# Altium PCB eRTM15_Baikal.PcbDoc (part 5 of 7) (continued)
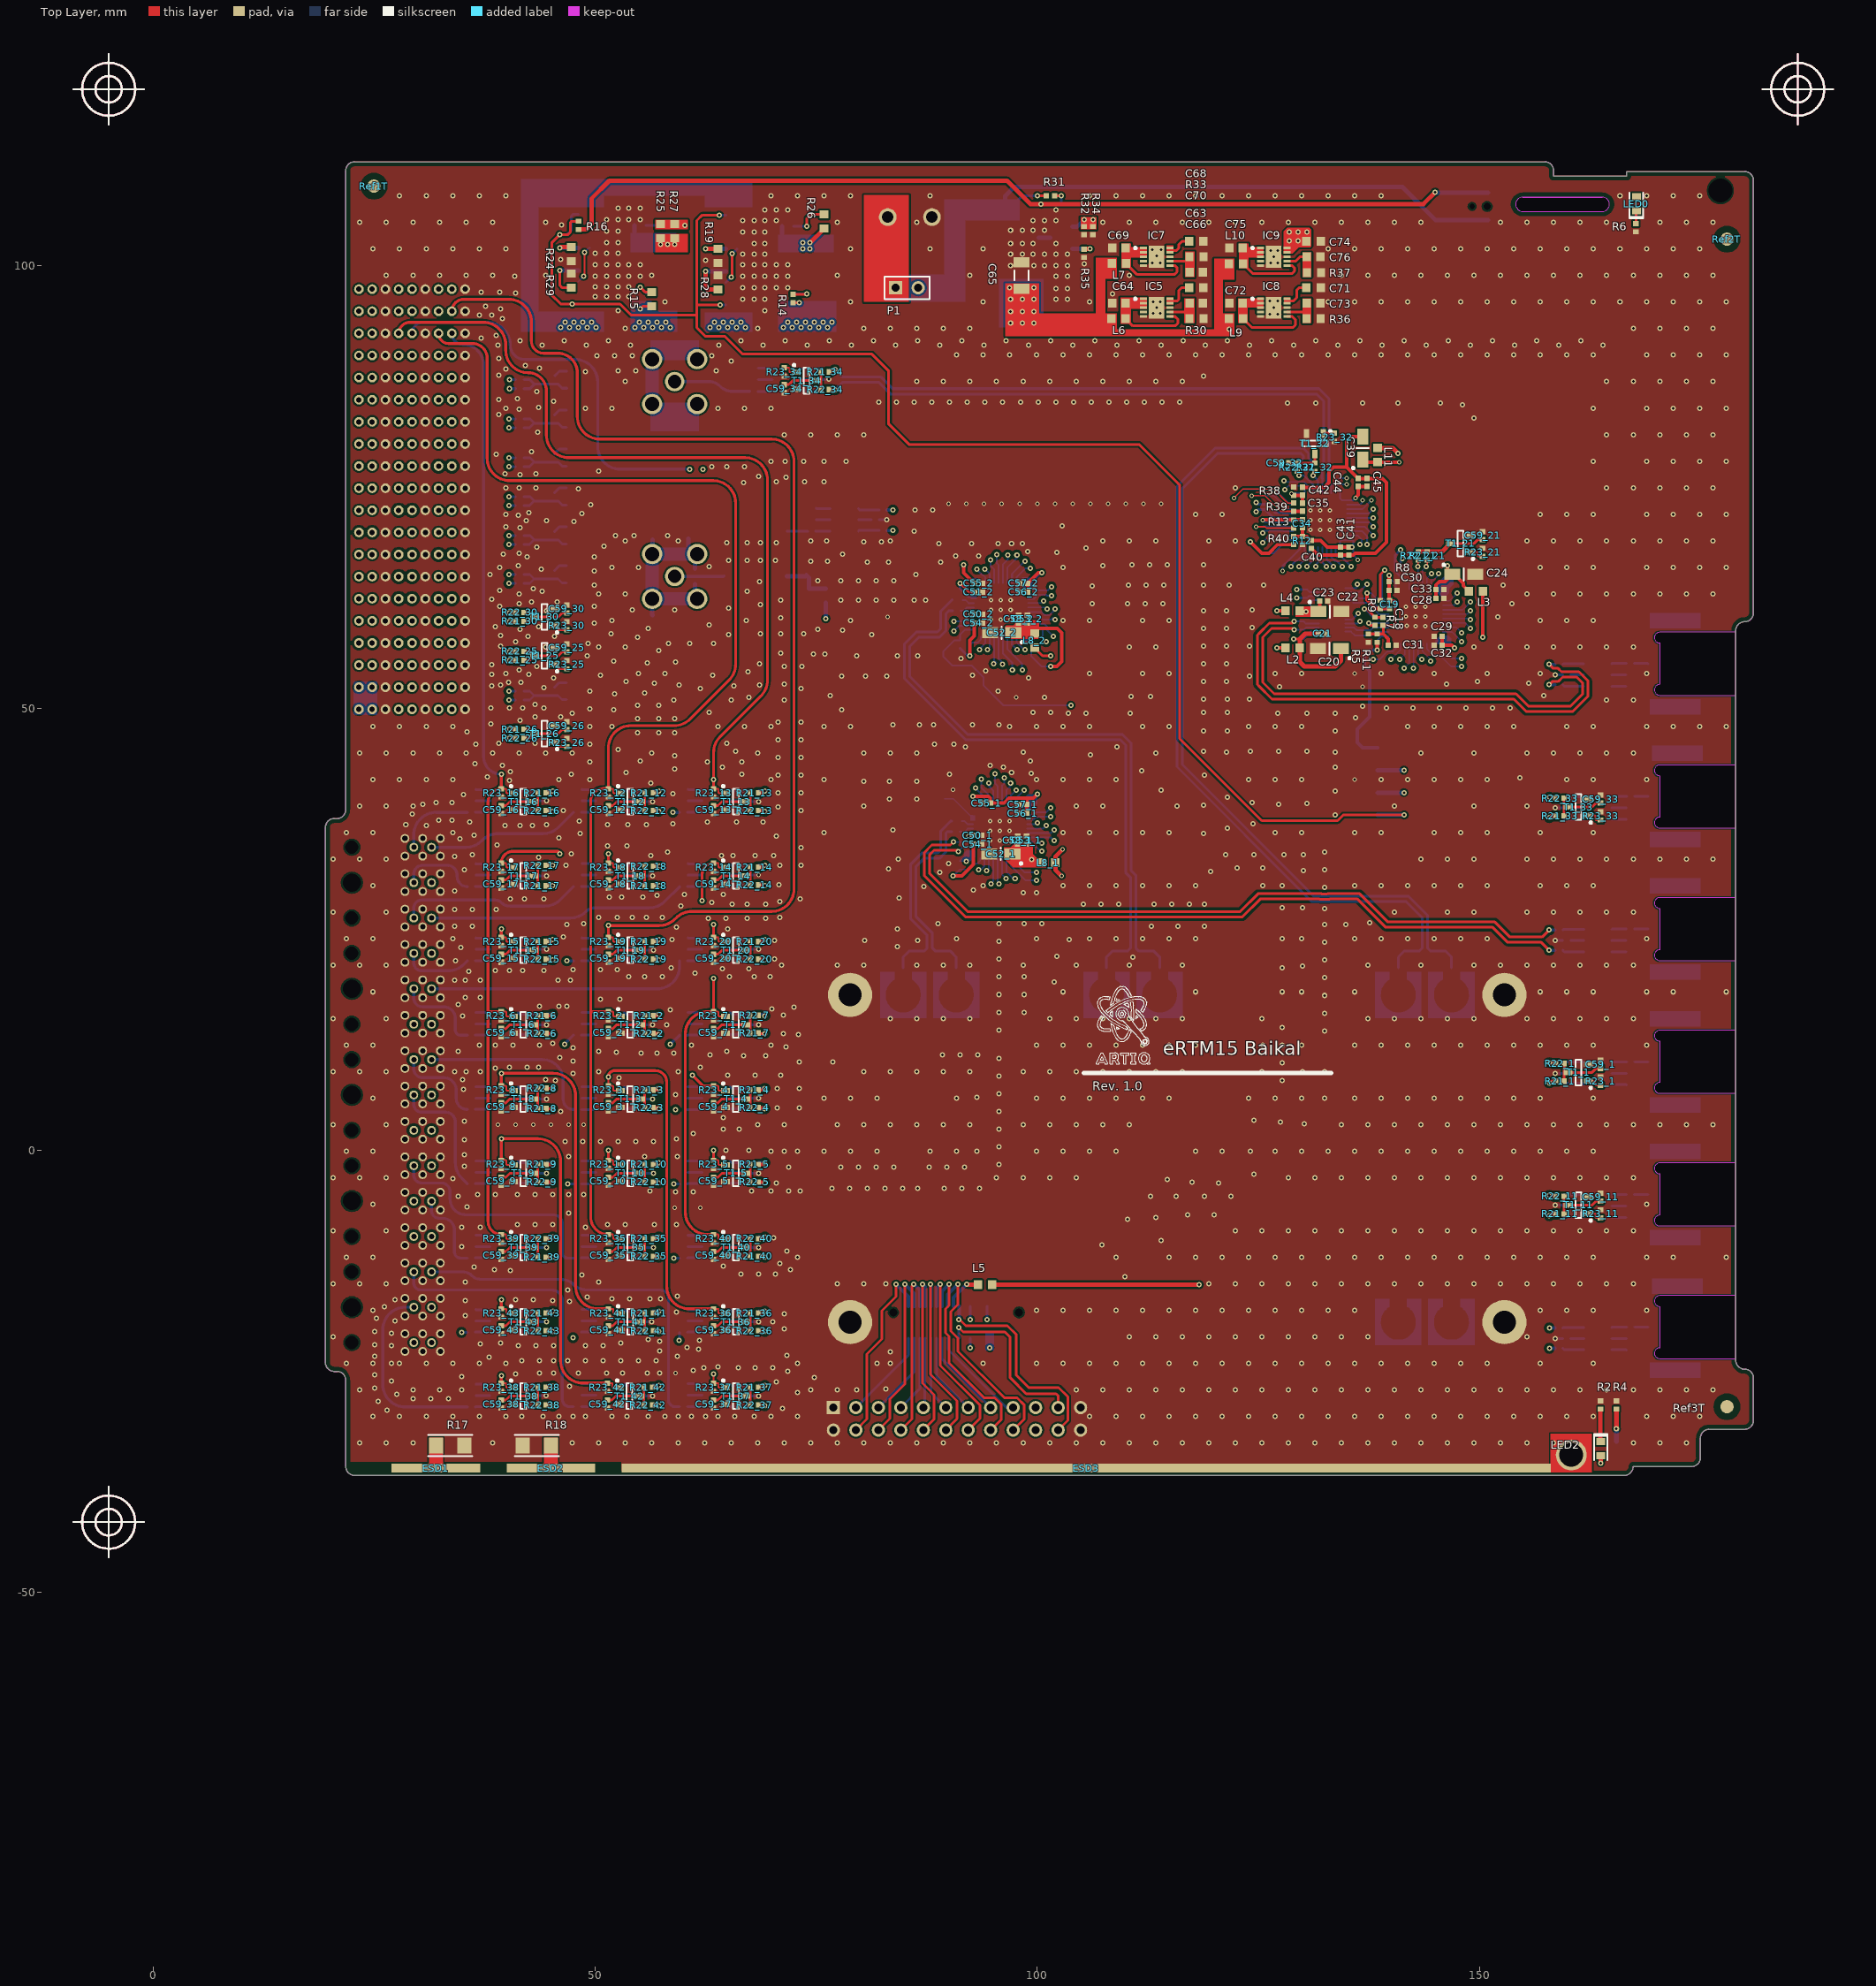
[diagram p0: Top Layer view]
## Nets (pads, with @x,y where several pads share a name; then routed paths per layer and width w, separated by ;. In a path a pad name is that pad's centre, name@x,y a point inside that pad or via, vN(x,y) a via of type N, cw(c..) or ccw(c..) an arc to the next point about the centre after c; other vN are vias at no path point) (continued)
NetC12_17_2: C12_17.2 C13_17.1 TR1_17.4 | length 2.4
  Bottom Layer w0.3: TR1_17.4@65.295,38.23 65.365,38.3 C13_17.1@66.705,38.3 C12_17.2@67.655,38.3
NetC12_18_2: C12_18.2 C13_18.1 TR1_18.4 | length 2.4
  Bottom Layer w0.3: TR1_18.4@53.295,29.83 53.365,29.9 C13_18.1@54.705,29.9 C12_18.2@55.655,29.9
NetC12_19_2: C12_19.2 C13_19.1 TR1_19.4 | length 2.4
  Bottom Layer w0.3: TR1_19.4@65.295,29.83 65.365,29.9 C13_19.1@66.705,29.9 C12_19.2@67.655,29.9
NetC12_20_2: C12_20.2 C13_20.1 TR1_20.4 | length 2.4
  Bottom Layer w0.3: TR1_20.4@53.295,21.43 53.365,21.5 C13_20.1@54.705,21.5 C12_20.2@55.655,21.5
NetC12_21_2: C12_21.2 C13_21.1 TR1_21.4 | length 2.4
  Bottom Layer w0.3: TR1_21.4@41.295,21.43 43.585,21.43 C12_21.2@43.655,21.5
NetC12_22_2: C12_22.2 C13_22.1 TR1_22.4 | length 2.4
  Bottom Layer w0.3: TR1_22.4@65.295,21.43 65.365,21.5 C13_22.1@66.705,21.5 C12_22.2@67.655,21.5
NetC12_23_2: C12_23.2 C13_23.1 TR1_23.4 | length 2.4
  Bottom Layer w0.3: C12_23.2@159.45,39.9 159.52,39.97 TR1_23.4@161.81,39.97
NetC12_24_2: C12_24.2 C13_24.1 TR1_24.4 | length 2.4
  Bottom Layer w0.3: TR1_24.4@79.78,70 79.85,70.07 C13_24.1@81.19,70.07 C12_24.2@82.14,70.07
NetC12_25_2: C12_25.2 C13_25.1 TR1_25.4 | length 2.4
  Bottom Layer w0.3: C12_25.2@159.44,54.93 159.51,55 TR1_25.4@161.8,55
NetC12_26_2: C12_26.2 C13_26.1 TR1_26.4 | length 2.4
  Bottom Layer w0.3: TR1_26.4@73.22,85.83 73.29,85.9 C13_26.1@74.63,85.9 C12_26.2@75.58,85.9
NetC12_27_2: C12_27.2 C13_27.1 TR1_27.4 | length 2.4
  Bottom Layer w0.3: TR1_27.4@41.295,-12.17 41.365,-12.1 C13_27.1@42.705,-12.1 C12_27.2@43.655,-12.1
NetC12_28_2: C12_28.2 C13_28.1 TR1_28.4 | length 2.4
  Bottom Layer w0.3: TR1_28.4@53.295,-12.17 53.365,-12.1 C13_28.1@54.705,-12.1 C12_28.2@55.655,-12.1
NetC12_29_2: C12_29.2 C13_29.1 TR1_29.4 | length 2.4
  Bottom Layer w0.3: TR1_29.4@65.295,-12.17 65.365,-12.1 C13_29.1@66.705,-12.1 C12_29.2@67.655,-12.1
NetC12_30_2: C12_30.2 C13_30.1 TR1_30.4 | length 2.4
  Bottom Layer w0.3: TR1_30.4@65.295,-20.57 65.365,-20.5 C13_30.1@66.705,-20.5 C12_30.2@67.655,-20.5
NetC12_31_2: C12_31.2 C13_31.1 TR1_31.4 | length 2.4
  Bottom Layer w0.3: TR1_31.4@53.295,-20.57 53.365,-20.5 C13_31.1@54.705,-20.5 C12_31.2@55.655,-20.5
NetC12_32_2: C12_32.2 C13_32.1 TR1_32.4 | length 2.4
  Bottom Layer w0.3: TR1_32.4@65.295,-28.97 67.585,-28.97 C12_32.2@67.655,-28.9
NetC12_33_2: C12_33.2 C13_33.1 TR1_33.4 | length 2.4
  Bottom Layer w0.3: TR1_33.4@53.295,-28.97 53.365,-28.9 C13_33.1@54.705,-28.9 C12_33.2@55.655,-28.9
NetC12_34_2: C12_34.2 C13_34.1 TR1_34.4 | length 2.4
  Bottom Layer w0.3: TR1_34.4@41.3,-29 41.37,-28.93 C13_34.1@42.71,-28.93 C12_34.2@43.66,-28.93
NetC12_35_2: C12_35.2 C13_35.1 TR1_35.4 | length 2.4
  Bottom Layer w0.3: TR1_35.4@41.295,-20.57 41.365,-20.5 C13_35.1@42.705,-20.5 C12_35.2@43.655,-20.5
NetC14_1: C14.1 C15.2 L1.1 OSC1.4 | length 5.8
  Bottom Layer w0.5: OSC1.4@71.685,64.905 73.788,64.905 C15.2@73.903,65.02 74.203,64.72 74.203,63.5 74.233,63.47 L1.1@76.103,63.47
NetC16_1: C16.1 C95.2 C96.2 C97.2 J7.2 R47.1 | length 23.7
  Bottom Layer w0.5: J7.2@56.463,62.33 56.463,60.537 C97.2@56.5,60.5 ; J7.2@56.463,67.41 56.5,67.447 C95.2@56.5,69.05 ; R47.1@60.53,69.12 60.53,67.41 J7.2@61.3,67.41 ; C96.2@61.3,64 61.3,62.35 J7.2@61.523,62.35 ; C16.1@61.3,65.75 J7.2@61.3,67.41 ; J7.2@61.543,67.41 J7.2@61.3,67.41
  Bottom Layer w1.5: J7.2@60.53,67.41 J7.2@56.463,67.41 J7.2@56.463,62.33 56.483,62.35 J7.2@61.3,62.35
NetC17_1_1: C17_1.1 TR1_1.3 | length 1.7
  Bottom Layer w0.3: TR1_1.3@164.99,9.97 165.02,10 C17_1.1@166.65,10
NetC17_2_1: C17_2.1 TR1_2.3 | length 1.7
  Bottom Layer w0.3: TR1_2.3@164.985,24.97 165.015,25 C17_2.1@166.645,25
NetC17_3_1: C17_3.1 TR1_3.3 | length 1.7
  Bottom Layer w0.3: C17_3.1@36.455,13 36.485,13.03 TR1_3.3@38.115,13.03
NetC17_4_1: C17_4.1 TR1_4.3 | length 1.7
  Bottom Layer w0.3: C17_4.1@48.455,13 48.485,13.03 TR1_4.3@50.115,13.03
NetC17_5_1: C17_5.1 TR1_5.3 | length 1.7
  Bottom Layer w0.3: C17_5.1@60.455,13 60.485,13.03 TR1_5.3@62.115,13.03
NetC17_6_1: C17_6.1 TR1_6.3 | length 1.7
  Bottom Layer w0.3: C17_6.1@48.455,4.6 50.085,4.6 TR1_6.3@50.115,4.63
NetC17_7_1: C17_7.1 TR1_7.3 | length 1.7
  Bottom Layer w0.3: C17_7.1@36.455,4.6 36.485,4.63 TR1_7.3@38.115,4.63
NetC17_8_1: C17_8.1 TR1_8.3 | length 1.7
  Bottom Layer w0.3: C17_8.1@60.455,4.6 62.085,4.6 TR1_8.3@62.115,4.63
NetC17_9_1: C17_9.1 TR1_9.3 | length 1.7
  Bottom Layer w0.3: C17_9.1@36.455,-3.8 36.485,-3.77 TR1_9.3@38.115,-3.77
NetC17_10_1: C17_10.1 TR1_10.3 | length 1.7
  Bottom Layer w0.3: C17_10.1@60.455,-3.8 60.485,-3.77 TR1_10.3@62.115,-3.77
NetC17_11_1: C17_11.1 TR1_11.3 | length 1.7
  Bottom Layer w0.3: C17_11.1@48.455,-3.8 50.085,-3.8 TR1_11.3@50.115,-3.77
NetC17_12_1: C17_12.1 TR1_12.3 | length 1.7
  Bottom Layer w0.3: TR1_12.3@164.985,-5.03 165.015,-5 C17_12.1@166.645,-5
NetC17_13_1: C17_13.1 TR1_13.3 | length 1.7
  Bottom Layer w0.3: TR1_13.3@164.99,-20.03 165.02,-20 C17_13.1@166.65,-20
NetC17_14_1: C17_14.1 TR1_14.3 | length 1.7
  Bottom Layer w0.3: C17_14.1@36.455,38.2 36.485,38.23 TR1_14.3@38.115,38.23
NetC17_15_1: C17_15.1 TR1_15.3 | length 1.7
  Bottom Layer w0.3: C17_15.1@48.455,38.2 50.085,38.2 TR1_15.3@50.115,38.23
NetC17_16_1: C17_16.1 TR1_16.3 | length 1.7
  Bottom Layer w0.3: C17_16.1@36.455,29.8 36.485,29.83 TR1_16.3@38.115,29.83
NetC17_17_1: C17_17.1 TR1_17.3 | length 1.7
  Bottom Layer w0.3: C17_17.1@60.455,38.2 62.085,38.2 TR1_17.3@62.115,38.23
NetC17_18_1: C17_18.1 TR1_18.3 | length 1.7
  Bottom Layer w0.3: C17_18.1@48.455,29.8 48.485,29.83 TR1_18.3@50.115,29.83
NetC17_19_1: C17_19.1 TR1_19.3 | length 1.7
  Bottom Layer w0.3: C17_19.1@60.455,29.8 62.085,29.8 TR1_19.3@62.115,29.83
NetC17_20_1: C17_20.1 TR1_20.3 | length 1.7
  Bottom Layer w0.3: C17_20.1@48.455,21.4 48.485,21.43 TR1_20.3@50.115,21.43
NetC17_21_1: C17_21.1 TR1_21.3 | length 1.7
  Bottom Layer w0.3: C17_21.1@36.455,21.4 36.485,21.43 TR1_21.3@38.115,21.43
NetC17_22_1: C17_22.1 TR1_22.3 | length 1.7
  Bottom Layer w0.3: C17_22.1@60.455,21.4 62.085,21.4 TR1_22.3@62.115,21.43
NetC17_23_1: C17_23.1 TR1_23.3 | length 1.7
  Bottom Layer w0.3: TR1_23.3@164.99,39.97 165.02,40 C17_23.1@166.65,40
NetC17_24_1: C17_24.1 TR1_24.3 | length 1.7
  Bottom Layer w0.3: C17_24.1@74.94,69.97 74.97,70 TR1_24.3@76.6,70
NetC17_25_1: C17_25.1 TR1_25.3 | length 1.7
  Bottom Layer w0.3: TR1_25.3@164.98,55 165.01,55.03 C17_25.1@166.64,55.03
NetC17_26_1: C17_26.1 TR1_26.3 | length 1.7
  Bottom Layer w0.3: C17_26.1@68.38,85.8 70.01,85.8 TR1_26.3@70.04,85.83
NetC17_27_1: C17_27.1 TR1_27.3 | length 1.7
  Bottom Layer w0.3: C17_27.1@36.455,-12.2 36.485,-12.17 TR1_27.3@38.115,-12.17
NetC17_28_1: C17_28.1 TR1_28.3 | length 1.7
  Bottom Layer w0.3: C17_28.1@48.455,-12.2 48.485,-12.17 TR1_28.3@50.115,-12.17
NetC17_29_1: C17_29.1 TR1_29.3 | length 1.7
  Bottom Layer w0.3: C17_29.1@60.455,-12.2 60.485,-12.17 TR1_29.3@62.115,-12.17
NetC17_30_1: C17_30.1 TR1_30.3 | length 1.7
  Bottom Layer w0.3: C17_30.1@60.455,-20.6 60.485,-20.57 TR1_30.3@62.115,-20.57
NetC17_31_1: C17_31.1 TR1_31.3 | length 1.7
  Bottom Layer w0.3: C17_31.1@48.455,-20.6 48.485,-20.57 TR1_31.3@50.115,-20.57
NetC17_32_1: C17_32.1 TR1_32.3 | length 1.7
  Bottom Layer w0.3: C17_32.1@60.455,-29 62.085,-29 TR1_32.3@62.115,-28.97
NetC17_33_1: C17_33.1 TR1_33.3 | length 1.7
  Bottom Layer w0.3: C17_33.1@48.455,-29 50.085,-29 TR1_33.3@50.115,-28.97
NetC17_34_1: C17_34.1 TR1_34.3 | length 1.7
  Bottom Layer w0.3: C17_34.1@36.46,-29.03 36.49,-29 TR1_34.3@38.12,-29
NetC17_35_1: C17_35.1 TR1_35.3 | length 1.7
  Bottom Layer w0.3: C17_35.1@36.455,-20.6 36.485,-20.57 TR1_35.3@38.115,-20.57
NetC18_1: C18.1 C19.1 C24.1 C28.2 C29.2 C30.2 C31.2 C32.2 C33.2 L3.1 R5.2 R8.2 R11.1 U1.11 U1.20 U1.21 U1.30 U1.31 U1.40 | length 64
  Top Layer w0.3: 139.13,58.37 139.13,59.32 C18.1@139.1,59.35 140.35,59.35 140.51,59.51 140.51,62 140.36,62.15 C19.1@139.85,62.15
  Top Layer w0.381: R5.2@137.45,58.37 R11.1@138.45,58.37 139.13,58.37 139.7,57.8 C31.2@139.7,57.1 ; v1(139.78,64.98) R8.2@139.78,64.3 139.78,62.22 C19.1@139.85,62.15 ; C28.2@145.1,62.4 C33.2@145.1,63.4 145.1,63.91 145.49,64.3 146.15,64.3 C24.1@146.95,65.1 ; C29.2@145.8,58.1 C32.2@145.8,57.1 146.9,57.1 v1(147.2,56.8) ; v1(146.4,66.1) 146.4,65.65 C24.1@146.95,65.1 ; L3.1@148.8,63.2 148.184,63.816 148.184,64.084 147.167,65.1 C24.1@146.95,65.1
  RF_Layer_4 w0.381: v1(139.78,64.98) 143.27,64.98 144.25,64 145.75,64 ; 145.75,56.8 145.75,64 ; v1(146.4,66.1) 146.4,64.65 145.75,64
  RF_Layer_4 w0.4: v1(138,55.5) 138.75,55.5 140.05,56.8 145.75,56.8 v1(147.2,56.8)
  Bottom Layer w0.2: v1(138,55.5) 138.7,55.5 139.6,56.4 140.221,56.4 140.55,56.729 U1.40@140.55,57.3 ; v1(139.78,64.98) 139.78,64.778 140.55,64.008 U1.11@140.55,63.4 ; U1.31@145.05,57.3 146.7,57.3 146.75,57.25 ; U1.20@145.05,63.4 145.05,63.8 146.4,65.15 ; U1.30@145.85,58.1 146.458,58.1 146.75,57.808 146.75,57.25 ; U1.21@145.85,62.6 146.1,62.6 146.5,63 146.5,63.5 147,64 147,64.55 146.4,65.15 ; v1(146.4,66.1) 146.4,65.15 ; v1(147.2,56.8) 146.75,57.25
NetC18_2: C18.2 R7.1 U1.5 | length 5.7
  Top Layer w0.3: v1(137,61.2) 137.27,61.2 R7.1@138.2,60.27 138.22,60.25 C18.2@139.1,60.25
  Bottom Layer w0.16: v1(137,61.2) 138.13,60.07 139.72,60.07 U1.5@139.75,60.1
NetC19_2: C19.2 R9.1 U1.8 | length 6.8
  Top Layer w0.381: v1(137.3,63) 137.3,62.22 138.29,61.23 R9.1@138.8,61.23 138.82,61.25 C19.2@139.85,61.25 C19.2@139.87,61.23
  Bottom Layer w0.2: v1(137.3,63) 137.7,63 139.1,61.6 U1.8@139.75,61.6
NetC20_1: C20.1 C21.2 IC1.2 L2.2 | length 15.5
  Top Layer w0.3: v1(129,57.8) 129.7,57.8
  Top Layer w0.5: C21.2@131.8,58.4 130.3,58.4 129.7,57.8 L2.2@129.7,56.8 129.7,55.2 130.2,54.7 133.7,54.7 134.35,55.35 C20.1@134.35,56.7
  Bottom Layer w0.2: v1@129.2,57.6 v1(129,57.8) 130.1,57.8 130.875,58.575 ; 130.925,58.625 IC1.2@131.85,58.625
NetC22_1: C22.1 C23.2 IC2.2 L4.2 | length 3.5
  Top Layer w0.381: C22.1@131.8,60.9 131.95,61.05 C23.2@131.95,62.1
  Bottom Layer w0.2: v1(130.4,60.9) 130.9,61.4 130.9,61.9 131.2,62.2 IC2.2@131.85,62.2
NetC25_1_2: C25_1.2 U3_1.7 | length 1.4
  Bottom Layer w0.2: C25_1.2@91.5,37.2 91.792,37.2 92.142,36.85 U3_1.7@92.75,36.85
NetC25_2_2: C25_2.2 U3_2.7 | length 1.4
  Bottom Layer w0.2: C25_2.2@91.6,62.2 91.892,62.2 92.242,61.85 U3_2.7@92.85,61.85
NetC34_1: C34.1 C35.1 C39.1 C40.2 C41.2 C42.2 C43.2 C44.2 C45.2 L11.1 R12.2 R38.2 R40.1 U2.11 U2.20 U2.21 U2.30 U2.31 U2.40 | length 60.8
  Top Layer w0.4: R40.1@129,69.4 R12.2@130,69.4 ; R38.2@129,74.05 129.98,74.05 130,74.03 C35.1@130,73.15 ; C34.1@130,70.4 R12.2@130,69.4 ; C41.2@135.25,68.2 132.8,68.2 132.05,68.95 C40.2@131,68.95 130.74,68.95 130.74,69.17 130.51,69.4 R12.2@130,69.4 ; v4(136,73.75) 136,73.761 136.3,74.061 C44.2@136.3,75.05 C45.2@137.3,75.05 ; C39.1@136.8,78.1 137.1,77.8 L11.1@138.5,77.8 v4(140.95,77.8)
  RF_Layer_4 w0.2: v4(127.75,65.5) 127.75,67.75 ; v4(128.75,74.23) 127.75,73.23 127.75,67.75 ; v4(136.25,66.75) 135.5,67.5 135.5,67.75 ; v4(140.95,77.8) 137.3,77.8 136,76.5 v4(136,73.75) 135.5,73.25 135.5,67.75 ; 127.75,67.75 135.5,67.75
  Bottom Layer w0.2: v4(127.75,65.5) 127.75,66.04 128.41,66.7 128.45,66.7 129.75,68 U2.40@129.75,68.2 ; v4(128.75,74.23) 128.75,74.25 128.8,74.3 U2.11@129.75,74.3 ; U2.31@134.25,68.2 134.25,68.808 134.442,69 U2.30@135.05,69 135.658,69 135.75,68.908 135.75,67.25 v4(136.25,66.75) ; U2.20@134.25,74.3 134.25,73.692 134.442,73.5 U2.21@135.05,73.5 135.75,73.5 v4(136,73.75)
  other v1: 135.6,68.2
NetC34_2: C34.2 R13.1 U2.5 | length 8.1
  Top Layer w0.4: v4(125.5,71.25) 125.52,71.27 R13.1@129,71.27 129.03,71.3 C34.2@130,71.3
  Bottom Layer w0.17: v4(125.5,71.25) 125.785,70.965 127.722,70.965 127.757,71 U2.5@128.95,71
NetC35_2: C35.2 R39.1 U2.8 | length 11.8
  Top Layer w0.17: v4(124.25,74) 125.75,74 127.52,72.23 R39.1@129,72.23
  Top Layer w0.4: R39.1@129,72.23 129.02,72.25 C35.2@130,72.25
  Bottom Layer w0.17: v4(124.25,74) 126.75,74 128.25,72.5 U2.8@128.95,72.5
NetC37_1: C37.1 C98.1 C99.1 C100.1 J8.2 R48.2 | length 5.1
  Bottom Layer w1.5: J8.2@56.46,84.36 J8.2@56.46,89.44
NetC39_2: C39.2 C40.1 C41.1 C42.1 C43.1 C44.1 C45.1 | length 33.1
  Top Layer w0.4: C42.1@130,74.95 132.45,74.95 133,75.5 133,76.75 133.5,77.25 135,77.25 ; C40.1@131,68.05 131.75,67.3 C41.1@135.25,67.3 135.76,67.3 135.96,67.5 138.25,67.5 139.5,68.75 139.5,75.5 139.05,75.95 C45.1@137.3,75.95 C44.1@136.3,75.95 135,77.25 ; C39.2@136.8,80.7 135.45,80.7 135,80.25 135,77.25
NetC50_1_2: C50_1.2 U3_1.4 U3_1.5 | length 1.5
  Top Layer w0.2: v4(92.227,35.509) 92.191,35.509 92.1,35.6 C50_1.2@92.8,35.6
  Bottom Layer w0.16: v4(92.227,35.509) 92.591,35.509 U3_1.4@92.75,35.35
NetC50_2_2: C50_2.2 U3_2.4 U3_2.5 | length 1.2
  Top Layer w0.3: v5(92.5,60.6) C50_2.2@92.9,60.6
  Bottom Layer w0.3: v5(92.5,60.6) 92.3,60.6 92.25,60.55 92.4,60.4 v5@92.6,60.6
NetC51_1_2: C51_1.2 U3_1.8 U3_1.9 | length 4
  Bottom Layer w0.16: C51_1.2@89.5,39.75 90.513,39.75 92.413,37.85 U3_1.9@92.75,37.85
NetC51_2_2: C51_2.2 U3_2.8 U3_2.9 | length 4.6
  Top Layer w0.3: v1(91.3,64.1) 92.3,63.1 C51_2.2@92.9,63.1
  Bottom Layer w0.3: v1(91.3,64.1) 91.3,63.5 92.2,62.6 92.9,62.6
NetC52_1_1: C52_1.1 C53_1.2 C54_1.2 C55_1.2 C56_1.2 C57_1.2 C58_1.2 L8_1.1 R20_1.1 U3_1.11 U3_1.20 U3_1.21 U3_1.30 U3_1.31 U3_1.40 | length 52.2
  Top Layer w0.4: v1(90.5,31) 91.5,31 92.8,32.3 C54_1.2@92.8,34.6 ; v1(92.75,40) 94.5,40 94.7,39.8 C55_1.2@94.7,39.25 96.25,39.25 96.81,39.81 98.6,39.81 ; C52_1.1@97.2,33.5 98.75,33.5 v1(99.368,32.882) ; C56_1.2@98.8,38.1 C57_1.2@98.8,39.1 98.8,39.61 98.6,39.81 ; v1(100,40.25) 99.56,39.81 98.6,39.81
  RF_Layer_4 w0.2: 93.75,32.882 93.75,39 98.75,39 v1(100,40.25)
  RF_Layer_4 w0.4: v1(90.5,31) 91.5,31 93.382,32.882 93.75,32.882 v1(99.368,32.882)
  Bottom Layer w0.16: v1(90.5,31) 91.2,31.7 R20_1.1@91.2,31.73 92.13,31.73 92.8,32.4 93.2,32.4 93.55,32.75 U3_1.40@93.55,33.05 ; U3_1.31@98.05,33.05 98.05,33.658 98.242,33.85 U3_1.30@98.85,33.85 99.15,33.85 99.368,33.632 v1(99.368,32.882)
  Bottom Layer w0.2: v1(92.75,40) 93,40 93.55,39.45 U3_1.11@93.55,39.15 ; U3_1.20@98.05,39.15 98.05,38.75 98.45,38.35 U3_1.21@98.85,38.35 98.85,39.1 v1(100,40.25)
NetC52_2_1: C52_2.1 C53_2.2 C54_2.2 C55_2.2 C56_2.2 C57_2.2 C58_2.2 L8_2.1 R20_2.1 U3_2.11 U3_2.20 U3_2.21 U3_2.30 U3_2.31 U3_2.40 | length 68.2
  Top Layer w0.4: v1(91.7,66.2) 91.7,65.3 C55_2.2@92.9,64.1 ; v1(92.4,55.9) 92.4,57.65 92.9,58.15 C54_2.2@92.9,59.6 ; C56_2.2@98.9,63.1 C57_2.2@98.9,64.1 100.1,65.3 v1(100.5,65.3) ; 99.5,59 102.25,59 102.75,58.5 102.75,55.25 102.2,54.7 v1(101.5,54.7)
  RF_Layer_4 w0.4: v1(91.7,66.2) 91.7,65.3 93.25,63.75 93.25,59 ; v1(92.4,55.9) 92.4,58.15 93.25,59 ; v1(100.5,65.3) 99.75,64.55 99.75,59 ; v1(101.5,54.7) 100.3,54.7 99.75,55.25 99.75,59 ; 93.25,59 99.75,59
  Bottom Layer w0.2: v1(91.7,66.2) 91.7,65.4 92.5,64.6 93.4,64.6 93.65,64.35 U3_2.11@93.65,64.15 ; v1(92.4,55.9) 92.4,57.1 92.7,57.4 93.3,57.4 93.65,57.75 U3_2.40@93.65,58.05 ; U3_2.31@98.15,58.05 98.15,57.75 98.4,57.5 99.3,57.5 ; U3_2.20@98.15,64.15 98.15,64.45 98.4,64.7 98.9,64.7 99.4,64.2 ; U3_2.30@98.95,58.85 99.35,58.85 99.6,58.6 99.6,57.8 99.3,57.5 ; U3_2.21@98.95,63.35 99.25,63.35 99.4,63.5 99.4,64.2 ; v1(100.5,65.3) 99.4,64.2 ; v1(101.5,54.7) 100.5,54.7 99.3,55.9 99.3,57.5
  Bottom Layer w0.3: R20_2.1@91.3,56.73 92.13,55.9 v1(92.4,55.9)
NetC59_1_2: C59_1.2 R21_1.2 R22_1.2 T1_1.3 | length 5.8
  Top Layer w0.3: R21_1.2@159.57,7.8 R22_1.2@159.57,9.8 ; T1_1.3@160.05,8.8 162.74,8.8 163.19,9.25 C59_1.2@163.7,9.25
NetC59_2_2: C59_2.2 R21_2.2 R22_2.2 T1_2.3 | length 5.8
  Top Layer w0.3: C59_2.2@51.5,13.75 52.01,13.75 52.46,14.2 T1_2.3@55.15,14.2 ; R22_2.2@55.63,13.2 R21_2.2@55.63,15.2
NetC59_3_2: C59_3.2 R21_3.2 R22_3.2 T1_3.3 | length 5.8
  Top Layer w0.3: C59_3.2@51.5,5.35 52.01,5.35 52.46,5.8 T1_3.3@55.15,5.8 ; R22_3.2@55.63,4.8 R21_3.2@55.63,6.8
NetC59_4_2: C59_4.2 R21_4.2 R22_4.2 T1_4.3 | length 5.8
  Top Layer w0.3: C59_4.2@63.4,5.35 63.91,5.35 64.36,5.8 T1_4.3@67.05,5.8 ; R22_4.2@67.53,4.8 R21_4.2@67.53,6.8
NetC59_5_2: C59_5.2 R21_5.2 R22_5.2 T1_5.3 | length 5.8
  Top Layer w0.3: C59_5.2@63.4,-3.05 63.91,-3.05 64.36,-2.6 T1_5.3@67.05,-2.6 ; R22_5.2@67.53,-3.6 R21_5.2@67.53,-1.6
NetC59_6_2: C59_6.2 R21_6.2 R22_6.2 T1_6.3 | length 5.8
  Top Layer w0.3: C59_6.2@39.4,13.75 39.91,13.75 40.36,14.2 T1_6.3@43.05,14.2 ; R22_6.2@43.53,13.2 R21_6.2@43.53,15.2
NetC59_7_2: C59_7.2 R21_7.2 R22_7.2 T1_7.3 | length 5.8
  Top Layer w0.3: C59_7.2@63.4,13.75 63.91,13.75 64.36,14.2 T1_7.3@67.05,14.2 ; R21_7.2@67.53,13.2 R22_7.2@67.53,15.2
NetC59_8_2: C59_8.2 R21_8.2 R22_8.2 T1_8.3 | length 5.8
  Top Layer w0.3: C59_8.2@39.4,5.35 39.91,5.35 40.36,5.8 T1_8.3@43.05,5.8 ; R21_8.2@43.53,4.8 R22_8.2@43.53,6.8
NetC59_9_2: C59_9.2 R21_9.2 R22_9.2 T1_9.3 | length 5.8
  Top Layer w0.3: C59_9.2@39.4,-3.05 39.91,-3.05 40.36,-2.6 T1_9.3@43.05,-2.6 ; R22_9.2@43.53,-3.6 R21_9.2@43.53,-1.6
NetC59_10_2: C59_10.2 R21_10.2 R22_10.2 T1_10.3 | length 5.8
  Top Layer w0.3: C59_10.2@51.5,-3.05 52.01,-3.05 52.46,-2.6 T1_10.3@55.15,-2.6 ; R22_10.2@55.63,-3.6 R21_10.2@55.63,-1.6
NetC59_11_2: C59_11.2 R21_11.2 R22_11.2 T1_11.3 | length 5.8
  Top Layer w0.3: R21_11.2@159.57,-7.2 R22_11.2@159.57,-5.2 ; T1_11.3@160.05,-6.2 162.74,-6.2 163.19,-5.75 C59_11.2@163.7,-5.75
NetC59_12_2: C59_12.2 R21_12.2 R22_12.2 T1_12.3 | length 5.8
  Top Layer w0.3: C59_12.2@51.5,38.95 52.01,38.95 52.46,39.4 T1_12.3@55.15,39.4 ; R22_12.2@55.63,38.4 R21_12.2@55.63,40.4
NetC59_13_2: C59_13.2 R21_13.2 R22_13.2 T1_13.3 | length 5.8
  Top Layer w0.3: C59_13.2@63.4,38.95 63.91,38.95 64.36,39.4 T1_13.3@67.05,39.4 ; R22_13.2@67.53,38.4 R21_13.2@67.53,40.4
NetC59_14_2: C59_14.2 R21_14.2 R22_14.2 T1_14.3 | length 5.8
  Top Layer w0.3: C59_14.2@63.4,30.55 63.91,30.55 64.36,31 T1_14.3@67.05,31 ; R22_14.2@67.53,30 R21_14.2@67.53,32
NetC59_15_2: C59_15.2 R21_15.2 R22_15.2 T1_15.3 | length 5.8
  Top Layer w0.3: C59_15.2@39.4,22.15 39.91,22.15 40.36,22.6 T1_15.3@43.05,22.6 ; R22_15.2@43.53,21.6 R21_15.2@43.53,23.6
NetC59_16_2: C59_16.2 R21_16.2 R22_16.2 T1_16.3 | length 5.8
  Top Layer w0.3: C59_16.2@39.4,38.95 39.91,38.95 40.36,39.4 T1_16.3@43.05,39.4 ; R22_16.2@43.53,38.4 R21_16.2@43.53,40.4
NetC59_17_2: C59_17.2 R21_17.2 R22_17.2 T1_17.3 | length 5.8
  Top Layer w0.3: C59_17.2@39.4,30.55 39.91,30.55 40.36,31 T1_17.3@43.05,31 ; R21_17.2@43.53,30 R22_17.2@43.53,32
NetC59_18_2: C59_18.2 R21_18.2 R22_18.2 T1_18.3 | length 5.8
  Top Layer w0.3: C59_18.2@51.5,30.55 52.01,30.55 52.46,31 T1_18.3@55.15,31 ; R21_18.2@55.63,30 R22_18.2@55.63,32
NetC59_19_2: C59_19.2 R21_19.2 R22_19.2 T1_19.3 | length 5.8
  Top Layer w0.3: C59_19.2@51.5,22.15 52.01,22.15 52.46,22.6 T1_19.3@55.15,22.6 ; R22_19.2@55.63,21.6 R21_19.2@55.63,23.6
NetC59_20_2: C59_20.2 R21_20.2 R22_20.2 T1_20.3 | length 5.8
  Top Layer w0.3: C59_20.2@63.4,22.15 63.91,22.15 64.36,22.6 T1_20.3@67.05,22.6 ; R22_20.2@67.53,21.6 R21_20.2@67.53,23.6
NetC59_21_2: C59_21.2 R21_21.2 R22_21.2 T1_21.3 | length 7.8
  Top Layer w0.3: T1_21.3@146.72,68.6 149.41,68.6 149.86,69.05 C59_21.2@150.37,69.05
  Top Layer w0.5: R22_21.2@143.1,67.67 R21_21.2@144.1,67.67 145.79,67.67 T1_21.3@146.72,68.6
NetC59_22_2: C59_22.2 R21_22.2 R22_22.2 T1_22.3 | length 6.6
  Bottom Layer w0.3: R22_22.2@41.945,81.7 42.625,81.7 T1_22.3@43.125,82.2 ; R21_22.2@41.945,82.7 42.625,82.7 T1_22.3@43.125,82.2 ; C59_22.2@46.775,81.75 46.265,81.75 45.815,82.2 T1_22.3@43.125,82.2
NetC59_23_2: C59_23.2 R21_23.2 R22_23.2 T1_23.3 | length 6.6
  Bottom Layer w0.3: R22_23.2@41.945,72.9 42.625,72.9 T1_23.3@43.125,73.4 ; R21_23.2@41.945,73.9 42.625,73.9 T1_23.3@43.125,73.4 ; C59_23.2@46.775,72.95 46.265,72.95 45.815,73.4 T1_23.3@43.125,73.4
NetC59_24_2: C59_24.2 R21_24.2 R22_24.2 T1_24.3 | length 6.6
  Bottom Layer w0.3: R21_24.2@41.945,64.1 42.625,64.1 T1_24.3@43.125,64.6 ; R22_24.2@41.945,65.1 R22_24.2@41.97,65.1 42.625,65.1 T1_24.3@43.125,64.6 ; C59_24.2@46.775,64.15 46.265,64.15 45.815,64.6 T1_24.3@43.125,64.6
NetC59_25_2: C59_25.2 R21_25.2 R22_25.2 T1_25.3 | length 6.6
  Top Layer w0.3: R21_25.2@41.97,55.4 42.65,55.4 T1_25.3@43.15,55.9 ; R22_25.2@41.97,56.4 42.65,56.4 T1_25.3@43.15,55.9 ; C59_25.2@46.8,56.35 46.29,56.35 45.84,55.9 T1_25.3@43.15,55.9
NetC59_26_2: C59_26.2 R21_26.2 R22_26.2 T1_26.3 | length 6.6
  Top Layer w0.3: R22_26.2@41.97,46.6 42.65,46.6 T1_26.3@43.15,47.1 ; R21_26.2@41.97,47.6 42.65,47.6 T1_26.3@43.15,47.1 ; C59_26.2@46.8,47.55 46.29,47.55 45.84,47.1 T1_26.3@43.15,47.1
NetC59_27_2: C59_27.2 R21_27.2 R22_27.2 T1_27.3 | length 6.6
  Bottom Layer w0.3: R22_27.2@41.945,77.3 42.625,77.3 T1_27.3@43.125,77.8 ; R21_27.2@41.945,78.3 42.625,78.3 T1_27.3@43.125,77.8 ; C59_27.2@46.775,77.35 46.265,77.35 45.815,77.8 T1_27.3@43.125,77.8
NetC59_28_2: C59_28.2 R21_28.2 R22_28.2 T1_28.3 | length 6.6
  Bottom Layer w0.3: R22_28.2@41.97,86.1 42.65,86.1 T1_28.3@43.15,86.6 ; R21_28.2@41.97,87.1 42.65,87.1 T1_28.3@43.15,86.6 ; C59_28.2@46.8,86.15 46.29,86.15 45.84,86.6 T1_28.3@43.15,86.6
NetC59_29_2: C59_29.2 R21_29.2 R22_29.2 T1_29.3 | length 6.6
  Bottom Layer w0.3: R22_29.2@41.945,68.5 42.625,68.5 T1_29.3@43.125,69 ; R21_29.2@41.945,69.5 42.625,69.5 T1_29.3@43.125,69 ; C59_29.2@46.775,68.55 46.265,68.55 45.815,69 T1_29.3@43.125,69
NetC59_30_2: C59_30.2 R21_30.2 R22_30.2 T1_30.3 | length 6.6
  Top Layer w0.3: R21_30.2@41.97,59.8 42.65,59.8 T1_30.3@43.15,60.3 ; R22_30.2@41.97,60.8 42.65,60.8 T1_30.3@43.15,60.3 ; C59_30.2@46.8,60.75 46.29,60.75 45.84,60.3 T1_30.3@43.15,60.3
NetC59_31_2: C59_31.2 R21_31.2 R22_31.2 T1_31.3 | length 6.6
  Bottom Layer w0.3: R22_31.2@41.945,50.9 42.625,50.9 T1_31.3@43.125,51.4 ; R21_31.2@41.945,51.9 42.625,51.9 T1_31.3@43.125,51.4 ; C59_31.2@46.775,50.95 46.265,50.95 45.815,51.4 T1_31.3@43.125,51.4
NetC59_32_2: C59_32.2 R21_32.2 R22_32.2 T1_32.3 | length 4
  Top Layer w0.3: C59_32.2@128.45,77.7 R22_32.2@129.4,77.7 R21_32.2@131.4,77.7 T1_32.3@131.4,78.75
NetC59_33_2: C59_33.2 R21_33.2 R22_33.2 T1_33.3 | length 5.8
  Top Layer w0.3: R21_33.2@159.57,37.8 R22_33.2@159.57,39.8 ; T1_33.3@160.05,38.8 162.74,38.8 163.19,39.25 C59_33.2@163.7,39.25
NetC59_34_2: C59_34.2 R21_34.2 R22_34.2 T1_34.3 | length 5.8
  Top Layer w0.3: C59_34.2@71.4,86.55 71.91,86.55 72.36,87 T1_34.3@75.05,87 ; R22_34.2@75.53,86 R21_34.2@75.53,88
NetC59_35_2: C59_35.2 R21_35.2 R22_35.2 T1_35.3 | length 5.8
  Top Layer w0.3: C59_35.2@51.5,-11.45 52.01,-11.45 52.46,-11 T1_35.3@55.15,-11 ; R22_35.2@55.63,-12 R21_35.2@55.63,-10
NetC59_36_2: C59_36.2 R21_36.2 R22_36.2 T1_36.3 | length 5.8
  Top Layer w0.3: C59_36.2@63.4,-19.85 63.91,-19.85 64.36,-19.4 T1_36.3@67.05,-19.4 ; R22_36.2@67.53,-20.4 R21_36.2@67.53,-18.4
NetC59_37_2: C59_37.2 R21_37.2 R22_37.2 T1_37.3 | length 5.8
  Top Layer w0.3: C59_37.2@63.4,-28.25 63.91,-28.25 64.36,-27.8 T1_37.3@67.05,-27.8 ; R22_37.2@67.53,-28.8 R21_37.2@67.53,-26.8
NetC59_38_2: C59_38.2 R21_38.2 R22_38.2 T1_38.3 | length 5.8
  Top Layer w0.3: C59_38.2@39.4,-28.25 39.91,-28.25 40.36,-27.8 T1_38.3@43.05,-27.8 ; R22_38.2@43.53,-28.8 R21_38.2@43.53,-26.8
NetC59_39_2: C59_39.2 R21_39.2 R22_39.2 T1_39.3 | length 5.8
  Top Layer w0.3: C59_39.2@39.4,-11.45 39.91,-11.45 40.36,-11 T1_39.3@43.05,-11 ; R21_39.2@43.53,-12 R22_39.2@43.53,-10
NetC59_40_2: C59_40.2 R21_40.2 R22_40.2 T1_40.3 | length 5.8
  Top Layer w0.3: C59_40.2@63.4,-11.45 63.91,-11.45 64.36,-11 T1_40.3@67.05,-11 ; R21_40.2@67.53,-12 R22_40.2@67.53,-10
NetC59_41_2: C59_41.2 R21_41.2 R22_41.2 T1_41.3 | length 5.8
  Top Layer w0.3: C59_41.2@51.5,-19.85 52.01,-19.85 52.46,-19.4 T1_41.3@55.15,-19.4 ; R22_41.2@55.63,-20.4 R21_41.2@55.63,-18.4
NetC59_42_2: C59_42.2 R21_42.2 R22_42.2 T1_42.3 | length 5.8
  Top Layer w0.3: C59_42.2@51.4,-28.25 51.91,-28.25 52.36,-27.8 T1_42.3@55.05,-27.8 ; R22_42.2@55.53,-28.8 R21_42.2@55.53,-26.8
NetC59_43_2: C59_43.2 R21_43.2 R22_43.2 T1_43.3 | length 5.8
  Top Layer w0.3: C59_43.2@39.4,-19.85 39.91,-19.85 40.36,-19.4 T1_43.3@43.05,-19.4 ; R22_43.2@43.53,-20.4 R21_43.2@43.53,-18.4
NetC64_2: C64.2 IC5.1 IC5.2 IC5.3 IC5.6 L6.2 | length 7.8
  Top Layer w0.3: L6.2@110,94 110.8,93.2 115.6,93.2 115.9,93.5 115.9,93.95 115.6,94.25 IC5.6@115,94.25
NetC66_2: C66.2 IC5.7 R30.2 | length 2.2
  Top Layer w0.3: IC5.7@115,94.75 117.15,94.75
NetC69_2: C69.2 IC7.1 IC7.2 IC7.3 IC7.6 L7.2 | length 7.8
  Top Layer w0.3: L7.2@110.05,100.25 111.3,99 115.5,99 115.8,99.3 115.8,99.8 115.6,100 IC7.6@115,100
NetC70_2: C70.2 IC7.7 R33.2 | length 2.5
  Top Layer w0.3: IC7.7@115,100.5 116.917,100.5 cw(c116.917,99.817) 117.4,100.3
NetC72_2: C72.2 IC8.1 IC8.2 IC8.3 IC8.6 L9.2 | length 8.1
  Top Layer w0.3: L9.2@123.3,94 124.3,93 128.9,93 129.2,93.3 129.2,93.9 128.85,94.25 IC8.6@128.25,94.25
NetC73_2: C73.2 IC8.7 R36.2 | length 2.2
  Top Layer w0.3: IC8.7@128.25,94.75 130.45,94.75
NetC75_2: C75.2 IC9.1 IC9.2 IC9.3 IC9.6 L10.2 | length 7.7
  Top Layer w0.3: L10.2@123.3,100.2 124.4,99.1 128.8,99.1 129.1,99.4 129.1,99.75 128.85,100 IC9.6@128.25,100
NetC76_2: C76.2 IC9.7 R37.2 | length 2.5
  Top Layer w0.3: IC9.7@128.25,100.5 129.2,100.5 129.7,101 C76.2@130.5,101
NetESD1_1: ESD1.1 R17.2
NetESD2_1: ESD2.1 R18.2
NetIC3_C1: IC3.C1 R26.1 | length 4.6
  Top Layer w0.3: v1(73.96,104.46) 73.96,105.36 74.4,105.8 R26.1@75.9,105.8
  Bottom Layer w0.3: IC3.C1@72.42,104.46 v1(73.96,104.46)
NetIC3_E6: IC3.E6 IC3.H7 | length 4.3
  Top Layer w0.3: v1(65.39,98.7) 65.5,98.81 v1(65.5,101.35)
  Bottom Layer w0.3: IC3.H7@64.8,98.11 v1(65.39,98.7) ; v1(65.5,101.35) IC3.E6@66.07,101.92
NetIC3_E7: IC3.E7 R19.2 | length 3.7
  Top Layer w0.5: v1(62.52,101.92) 63.88,101.92 R19.2@63.9,101.9
  Bottom Layer w0.5: v1(62.52,101.92) IC3.E7@64.8,101.92
NetIC3_G7: IC3.G7 R28.2 | length 5.6
  Top Layer w0.5: v1(62.52,99.38) 62.52,97.48 62.7,97.3 R28.2@63.9,97.3
  Bottom Layer w0.5: v1(62.52,99.38) IC3.G7@64.8,99.38
NetIC3_J1: IC3.J1 R14.1 | length 3.1
  Top Layer w0.3: R14.1@72.4,96.77 73.87,96.77 v1(73.94,96.84)
  Bottom Layer w0.3: IC3.J1@72.42,96.84 v1(73.94,96.84)
NetIC4_C1: IC4.C1 R25.1 R27.1 | length 4.4
  Bottom Layer w0.3: IC4.C1@55.75,104.56 v1(60.16,104.56)
NetIC4_E6: IC4.E6 IC4.H7 | length 4.4
  Top Layer w0.2: v1(48.7,98.8) 48.8,98.9 v1(48.8,101.5)
  Bottom Layer w0.2: IC4.H7@48.13,98.21 48.13,98.23 v1(48.7,98.8) ; v1(48.8,101.5) 49.32,102.02 IC4.E6@49.4,102.02
NetIC4_E7: IC4.E7 R24.2 | length 3.4
  Top Layer w0.5: v1(46.02,102.02) 46.1,102.1 R24.2@47.3,102.1
  Bottom Layer w0.5: v1(46.02,102.02) IC4.E7@48.13,102.02
NetIC4_G7: IC4.G7 R29.2 | length 5.2
  Top Layer w0.3: v1(46.02,99.48) 46.02,97.78 46.3,97.5 R29.2@47.3,97.5
  Bottom Layer w0.5: v1(46.02,99.48) IC4.G7@48.13,99.48
NetIC4_J1: IC4.J1 R15.1 | length 2.5
  Top Layer w0.3: v1(55.1,97.59) 55.69,97 R15.1@56.4,97
  Bottom Layer w0.3: v1(55.1,97.59) IC4.J1@55.75,96.94
NetIC6_G7: IC6.G7 R35.2 | length 2.7
  Top Layer w0.5: R35.2@105.3,101.87 105.32,101.89 v1(105.99,101.89)
  Bottom Layer w0.5: IC6.G7@103.99,101.89 v1(105.99,101.89)
NetIC6_H4: IC6.H4 IC6.H5 | length 1.3
  Bottom Layer w0.5: IC6.H4@100.18,103.16 IC6.H5@101.45,103.16
NetIC6_J7: IC6.J7 R32.1 R34.2 | length 2.6
  Bottom Layer w0.5: IC6.J7@103.99,104.43 104.53,104.43 v1(105.3,105.2) v1(106.3,105.2)